# Altium PCB 2m_DBoard_TX.PcbDoc (part 4 of 5) (continued)
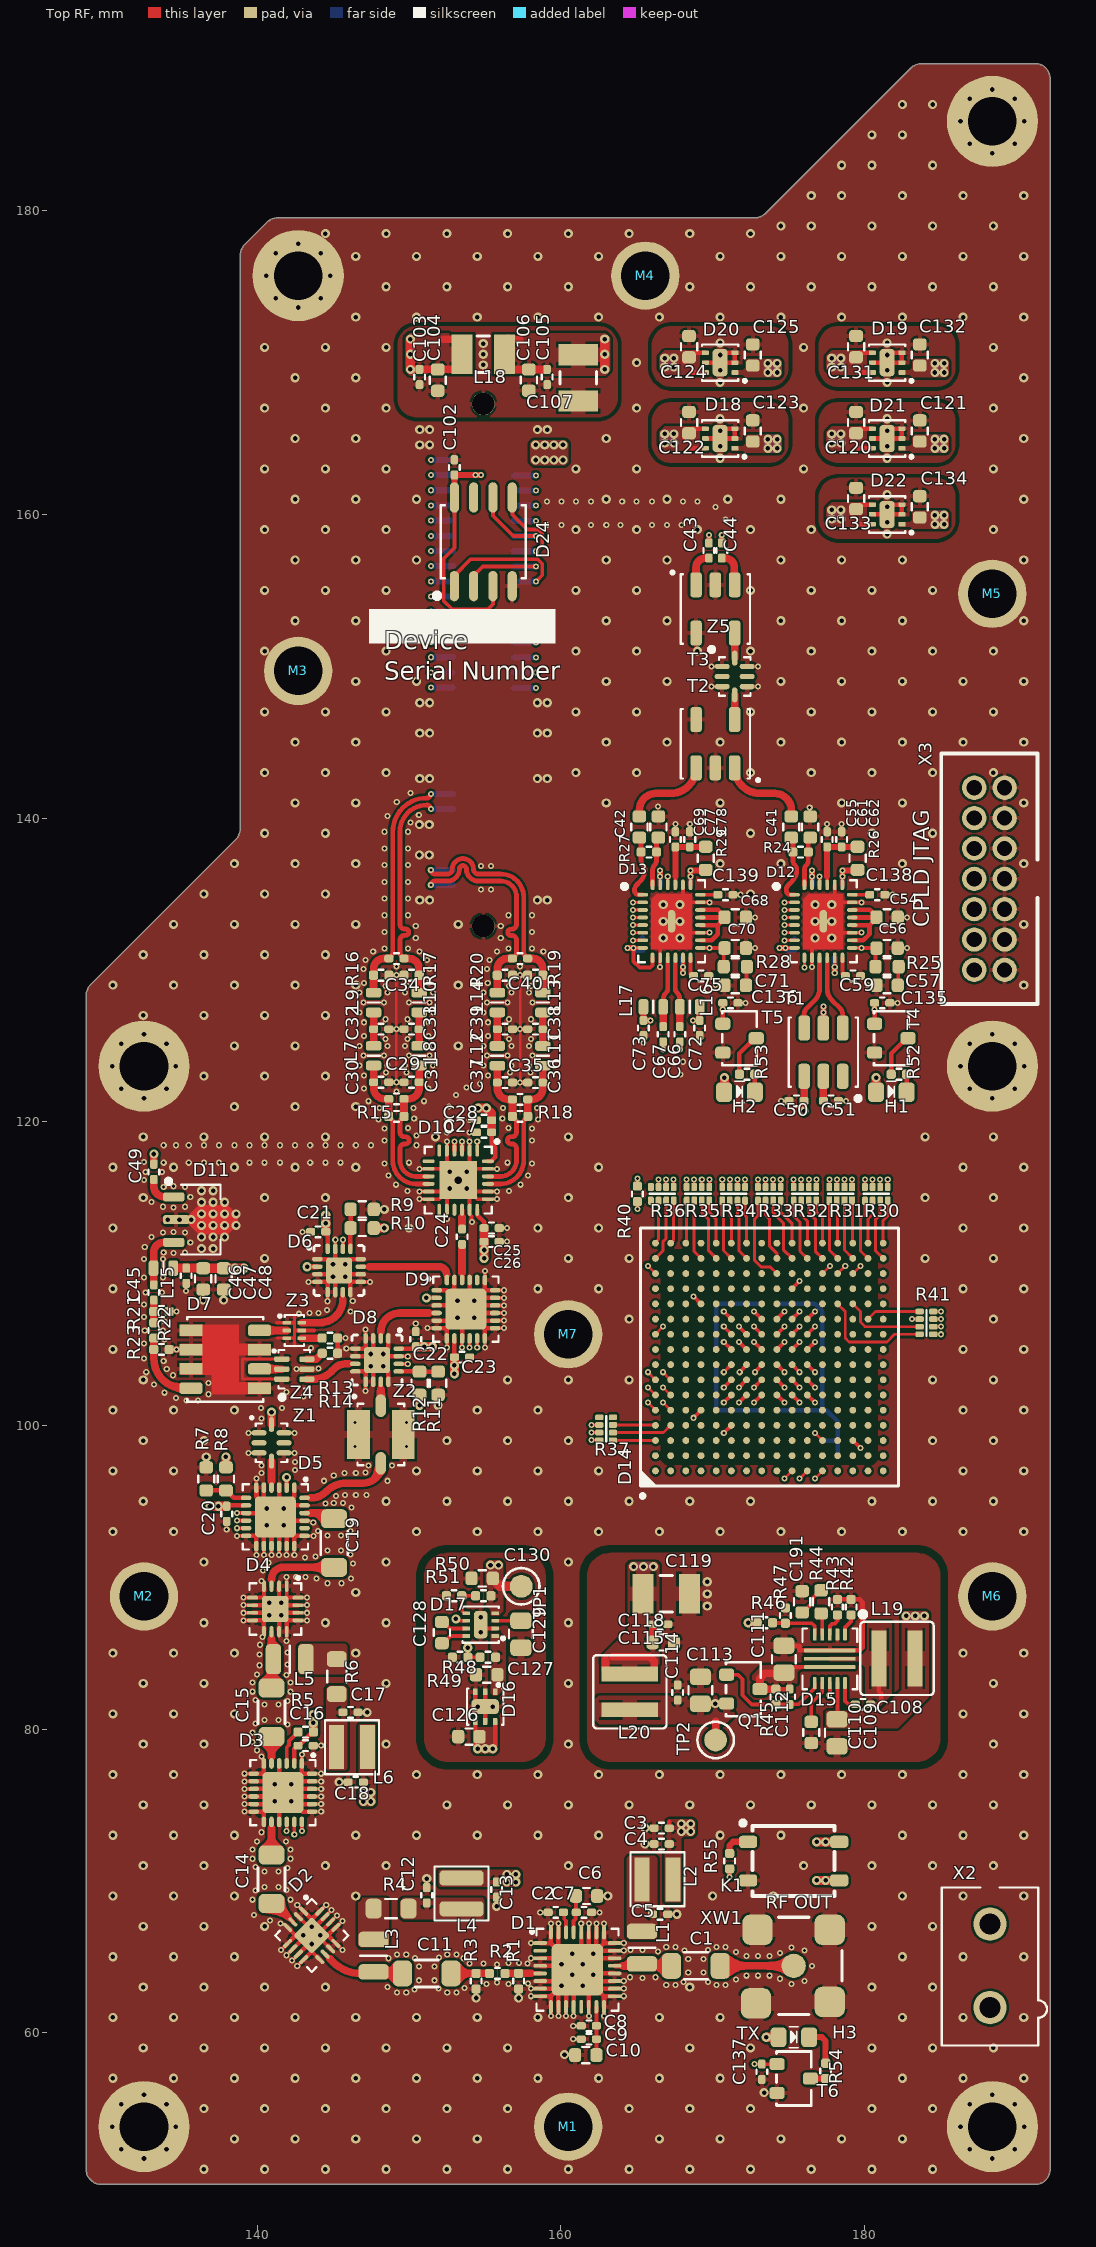
[diagram p0: Top RF view]
## Nets (pads, with @x,y where several pads share a name; then routed paths per layer and width w, separated by ;. In a path a pad name is that pad's centre, name@x,y a point inside that pad or via, vN(x,y) a via of type N, cw(c..) or ccw(c..) an arc to the next point about the centre after c; other vN are vias at no path point) (continued)
copper on no net:
  other v1: 152.7,115.6 153.8,115.6 152.7,116.7 153.8,116.7

## Polygon pours and split planes (outlines as drawn)
GND on Top RF "GND_P001" (solid, remove dead copper, pour order 106): 128.74,51 128.74,128.305 cw(c129.814,128.305) 129.055,129.065 138.6,138.61 ccw(c137.898,139.311) 138.89,139.311 138.89,177.046 cw(c139.986,177.046) 139.211,177.821 140.622,179.232 cw(c141.389,178.466) 141.389,179.55 172.779,179.55 ccw(c172.779,180.542) 173.48,179.84 183.025,189.385 cw(c183.785,188.626) 183.785,189.7 191.24,189.7 cw(c191.24,188.7) 192.24,188.7 192.24,51 cw(c191.24,51) 191.24,50 129.74,50 cw(c129.74,51)
5V_CVDD on Top RF "5V_CVDD_P001" (solid, pour order 105): 183.15,164.05 183,164.2 182.25,164.2 182.25,164.5 183,164.5 183.15,164.65 183.15,165.1 183.3,165.25 185.4,165.25 185.55,165.1 185.55,164.2 185.4,164.05
5V_QMOD on Top RF "5V_QMOD_P001" (solid, pour order 104): 172.15,164.05 172,164.2 171.25,164.2 171.25,164.5 172,164.5 172.15,164.65 172.15,165.1 172.3,165.25 174.4,165.25 174.55,165.1 174.55,164.2 174.4,164.05
3V3_DVDD on Top RF "3V3_DVDD_P002" (solid, pour order 103): 183.15,159.05 183,159.2 182.25,159.2 182.25,159.5 183,159.5 183.15,159.65 183.15,160.1 183.3,160.25 185.4,160.25 185.55,160.1 185.55,159.2 185.4,159.05
3V3_CVDD on Top RF "3V3_CVDD_P001" (solid, pour order 98): 183.15,169.05 183,169.2 182.25,169.2 182.25,169.5 183,169.5 183.15,169.65 183.15,170.1 183.3,170.25 185.4,170.25 185.55,170.1 185.55,169.2 185.4,169.05
6V_TX on Top RF "6V_TX_P007" (solid, pour order 94): 158,164.7 158.2,164.9 160.3,164.9 160.5,164.7 160.5,163.45 160.3,163.25 158.2,163.25 158,163.45
-3V4_DVSS on Top RF "-3V4_DVSS_P001" (solid, pour order 90): 155.4,87.525 155.45,87.475 155.925,87.475 156.2,87.75 156.2,90.925 156.025,91.1 155.25,91.1 155.075,90.925 155.075,88.15 155.4,87.825
NetC127_1 on Top RF "NETC127_1_L01_P" (solid, pour order 89): 155.425,86.275 155.925,86.275 156.375,85.825 156.375,82.75 155.825,82.2 155.55,82.2 155.4,82.35 155.4,86.25
6V_TX on Top RF "6V_TX_P006" (solid, pour order 88): 154.225,80.125 155.825,80.125 155.825,78.575 155.65,78.4 154.4,78.4 154.225,78.575
5V_AVDD on Top RF "5V_AVDD_P003" (solid, pour order 86): 152.025,69.62 151.975,69.67 151.975,70.67 152.025,70.72 157.175,70.72 157.35,70.545 157.35,69.795 157.175,69.62
NetL5_2 on Top RF "NETL5_2_L01_P" (solid, pour order 85): 142.85,85.6 142.7,85.45 142.7,83.75 142.85,83.6 143.65,83.6 145.45,83.6 145.8,83.6 145.95,83.75 145.95,85 145.95,85.45 145.8,85.6 143.65,85.6
NetL3_2 on Top RF "NETL3_2_L01_P" (solid, pour order 84): 146.675,65.77 146.825,65.62 148.525,65.62 148.675,65.77 148.675,66.57 148.675,68.37 148.675,68.72 148.525,68.87 147.275,68.87 146.825,68.87 146.675,68.72 146.675,66.57
NetC108_2 on Top RF "NETC108_2_L01_P" (solid, pour order 83): 176.002,84.502 176.002,84.752 176.052,84.802 179.627,84.802 180.052,85.227 180.052,87.052 181.802,87.052 181.802,82.252 180.852,81.302 180.052,81.302 180.052,84.027 179.627,84.452 176.052,84.452
NetC17_2 on Top RF "NETC17_2_L01_P" (solid, pour order 82): 145.95,77.4 145.85,77.3 144.65,77.3 144.55,77.4 144.55,82.65 144.75,82.85 145.75,82.85 145.95,82.65
NetC12_2 on Top RF "NETC12_2_L01_P" (solid, pour order 81): 154.875,68.87 154.975,68.77 154.975,67.57 154.875,67.47 149.625,67.47 149.425,67.67 149.425,68.67 149.625,68.87
NetC5_2 on Top RF "NETC5_2_L01_P" (solid, pour order 80): 164.35,66.3 164.5,66.15 166.2,66.15 166.35,66.3 166.35,71.5 166.2,71.65 164.5,71.65 164.35,71.5
5V_AVDD on Top RF "5V_AVDD_P002" (solid, pour order 74): 146.7,80.25 146.75,80.3 147.75,80.3 147.8,80.25 147.8,75.1 147.625,74.925 146.875,74.925 146.7,75.1
5V_AVDD on Top RF "5V_AVDD_P001" (solid, pour order 73): 172.15,169.05 172,169.2 171.25,169.2 171.25,169.5 172,169.5 172.15,169.65 172.15,170.1 172.3,170.25 174.4,170.25 174.55,170.1 174.55,169.2 174.4,169.05
6V_TX on Top RF "6V_TX_P005" (solid, pour order 72): 169.15,169.2 169.15,170.8 166.85,170.8 166.5,170.45 166.5,169.55 166.85,169.2
6V_TX on Top RF "6V_TX_P005" (solid, pour order 71): 169.15,164.2 169.15,165.8 166.85,165.8 166.5,165.45 166.5,164.55 166.85,164.2
6V_TX on Top RF "6V_TX_P004" (solid, pour order 70): 180.15,164.2 180.15,165.8 177.85,165.8 177.5,165.45 177.5,164.55 177.85,164.2
6V_TX on Top RF "6V_TX_P003" (solid, pour order 69): 180.15,169.2 180.15,170.8 177.85,170.8 177.5,170.45 177.5,169.55 177.85,169.2
6V_TX on Top RF "6V_TX_P002" (solid, pour order 68): 180.15,159.2 180.15,160.8 177.85,160.8 177.5,160.45 177.5,159.55 177.85,159.2
6V_TX on Top RF "6V_TX_P001" (solid, pour order 67): 154.202,169.15 154.202,171.95 150.052,171.95 149.752,171.65 149.752,169.45 150.052,169.15
_6V_flt on Top RF "_6V_FLT_P002" (solid, pour order 66): 155.602,171.95 155.602,169.15 162.95,169.15 163.25,169.45 163.25,171.65 162.95,171.95
_6V_flt on Top RF "_6V_FLT_P001" (solid, pour order 65): 182.45,82.6 181.05,81.2 177.525,81.2 177.45,81.125 177.45,80.125 177.525,80.05 182.2,80.05 184.25,82.1 184.25,87.602 184.1,87.752 182.602,87.752 182.45,87.6
12V_AVDD on Top RF "12V_AVDD_P002" (solid, pour order 64): 166.502,83.102 162.677,83.102 162.677,84.777 164.402,86.502 164.402,90.802 164.602,91.002 166.302,91.002 166.502,90.802 166.502,84.602
12V_AVDD on Top RF "12V_AVDD_P001" (solid, pour order 63): 167.95,68.65 167.9,68.6 166.9,68.6 166.85,68.65 166.85,73.85 167.05,74.05 168.7,74.05 168.85,73.9 168.85,73.1 168.7,72.95 168.117,72.95 167.95,72.783
_12V_TPS on Top RF "_12V_TPS_P001" (solid, pour order 62): 162.502,82.202 162.252,81.952 162.252,80.602 162.552,80.302 170.852,80.302 171.452,80.902 171.452,82.052 171.302,82.202
_TPS_VOUT on Top RF "_TPS_VOUT_P001" (solid, pour order 61): 179.202,84.202 173.277,84.202 172.627,83.552 172.627,82.502 172.677,82.452 175.377,82.452 175.577,82.652 175.577,83.727 175.752,83.902 179.152,83.902 179.202,83.952
GND on Bottom Layer "GND_P101" (solid, pour order 97): 128.74,51 128.74,128.305 cw(c129.814,128.305) 129.055,129.065 138.6,138.61 ccw(c137.898,139.311) 138.89,139.311 138.89,177.046 cw(c139.986,177.046) 139.211,177.821 140.622,179.232 cw(c141.389,178.466) 141.389,179.55 172.779,179.55 ccw(c172.779,180.542) 173.48,179.84 183.025,189.385 cw(c183.785,188.626) 183.785,189.7 191.24,189.7 cw(c191.24,188.7) 192.24,188.7 192.24,51 cw(c191.24,51) 191.24,50 129.74,50 cw(c129.74,51)
6V_TX on Bottom Layer "6V_TX_P101" (solid, pour order 96): 156.75,164.9 156.75,163.25 160.3,163.25 160.5,163.45 160.5,164.7 160.3,164.9
no net on Top Solder "NONET_L01_P-001" (solid): 191.142,189.207 183.713,189.207 ccw(c183.713,188.795) 183.422,189.086 173.755,179.419 cw(c172.88,180.293) 172.88,179.057 141.384,179.057 ccw(c141.384,178.474) 140.972,178.886 139.598,177.513 ccw(c140.109,177.001) 139.386,177 139.386,139.382 cw(c137.875,139.327) 138.981,138.295 129.363,128.678 ccw(c129.654,128.386) 129.242,128.386 129.242,51.107 ccw(c129.842,51.107) 129.842,50.507 191.192,50.507 ccw(c191.192,51.057) 191.742,51.057 191.742,188.607 ccw(c191.142,188.607)
no net on Bottom Solder "NONET_L01_P-001" (solid): 191.14,189.2 183.711,189.2 ccw(c183.711,188.788) 183.419,189.079 173.752,179.412 cw(c172.878,180.286) 172.878,179.05 141.381,179.05 ccw(c141.381,178.467) 140.969,178.879 139.596,177.506 ccw(c140.107,176.994) 139.384,176.993 139.384,139.384 cw(c137.861,139.325) 138.979,138.289 129.361,128.671 ccw(c129.652,128.379) 129.24,128.379 129.24,51.1 ccw(c129.84,51.1) 129.84,50.5 191.19,50.5 ccw(c191.19,51.05) 191.74,51.05 191.74,188.6 ccw(c191.14,188.6)
no net on Top Overlay "NONET_L01_P-001" (solid): 147.375,153.75 147.375,151.5 159.625,151.5 159.625,153.75
GND on Inner RF "GND_P001" (solid, remove dead copper, pour order 100): 128.74,51 128.74,128.305 cw(c129.814,128.305) 129.055,129.065 138.6,138.61 ccw(c137.898,139.311) 138.89,139.311 138.89,177.046 cw(c139.986,177.046) 139.211,177.821 140.622,179.232 cw(c141.389,178.466) 141.389,179.55 172.779,179.55 ccw(c172.779,180.542) 173.48,179.84 183.025,189.385 cw(c183.785,188.626) 183.785,189.7 191.24,189.7 cw(c191.24,188.7) 192.24,188.7 192.24,51 cw(c191.24,51) 191.24,50 129.74,50 cw(c129.74,51)
GND on Signal "GND_P001" (solid, remove dead copper, pour order 101): 128.74,51 128.74,128.305 cw(c129.814,128.305) 129.055,129.065 138.6,138.61 ccw(c137.898,139.311) 138.89,139.311 138.89,177.046 cw(c139.986,177.046) 139.211,177.821 140.622,179.232 cw(c141.389,178.466) 141.389,179.55 172.779,179.55 ccw(c172.779,180.542) 173.48,179.84 183.025,189.385 cw(c183.785,188.626) 183.785,189.7 191.24,189.7 cw(c191.24,188.7) 192.24,188.7 192.24,51 cw(c191.24,51) 191.24,50 129.74,50 cw(c129.74,51)
GND on AGND (split plane): 191.336,189.182 191.428,189.154 191.513,189.109 191.588,189.048 191.649,188.973 191.694,188.888 191.722,188.796 191.731,188.712 191.73,188.7 191.73,51 191.731,50.988 191.722,50.904 191.694,50.812 191.649,50.727 191.588,50.652 191.513,50.591 191.428,50.546 191.336,50.518 191.252,50.509 191.24,50.51 129.74,50.51 129.728,50.509 129.644,50.518 129.552,50.546 129.467,50.591 129.392,50.652 129.331,50.727 129.286,50.812 129.258,50.904 129.249,50.988 129.25,51 129.25,128.305 129.25,128.314 129.256,128.39 129.275,128.472 129.308,128.551 129.352,128.623 129.401,128.681 129.408,128.686 138.954,138.232 139.07,138.362 139.171,138.505 139.256,138.658 139.323,138.819 139.371,138.988 139.401,139.16 139.41,139.335 139.41,177.07 139.41,177.079 139.416,177.155 139.435,177.237 139.468,177.316 139.512,177.388 139.561,177.446 139.568,177.451 140.976,178.859 140.991,178.872 140.997,178.878 141.055,178.928 141.127,178.972 141.205,179.005 141.288,179.024 141.364,179.03 141.372,179.03 172.755,179.03 172.93,179.039 173.102,179.069 173.27,179.117 173.432,179.184 173.585,179.269 173.728,179.37 173.858,179.486 173.858,179.487 183.403,189.031 183.403,189.032 183.409,189.038 183.467,189.088 183.539,189.132 183.618,189.165 183.7,189.184 183.776,189.19 183.785,189.19 191.24,189.19 191.252,189.191
GND on AGND 2 (split plane): 191.336,189.182 191.428,189.154 191.513,189.109 191.588,189.048 191.649,188.973 191.694,188.888 191.722,188.796 191.731,188.712 191.73,188.7 191.73,51 191.731,50.988 191.722,50.904 191.694,50.812 191.649,50.727 191.588,50.652 191.513,50.591 191.428,50.546 191.336,50.518 191.252,50.509 191.24,50.51 129.74,50.51 129.728,50.509 129.644,50.518 129.552,50.546 129.467,50.591 129.392,50.652 129.331,50.727 129.286,50.812 129.258,50.904 129.249,50.988 129.25,51 129.25,128.305 129.25,128.314 129.256,128.39 129.275,128.472 129.308,128.551 129.352,128.623 129.401,128.681 129.408,128.686 138.954,138.232 139.07,138.362 139.171,138.505 139.256,138.658 139.323,138.819 139.371,138.988 139.401,139.16 139.41,139.335 139.41,177.07 139.41,177.079 139.416,177.155 139.435,177.237 139.468,177.316 139.512,177.388 139.561,177.446 139.568,177.451 140.976,178.859 140.991,178.872 140.997,178.878 141.055,178.928 141.127,178.972 141.205,179.005 141.288,179.024 141.364,179.03 141.372,179.03 172.755,179.03 172.93,179.039 173.102,179.069 173.27,179.117 173.432,179.184 173.585,179.269 173.728,179.37 173.858,179.486 173.858,179.487 183.403,189.031 183.403,189.032 183.409,189.038 183.467,189.088 183.539,189.132 183.618,189.165 183.7,189.184 183.776,189.19 183.785,189.19 191.24,189.19 191.252,189.191
5V_CVDD on AVDD (split plane): 186.248,171.376 186.248,158.854 181.322,153.928 181.282,153.876 181.256,153.815 181.248,153.75 181.248,120.5 181.248,116.25 181.248,94.263 181.248,94.262 181.248,94.26 181.318,87.427 181.322,87.396 181.326,87.365 181.327,87.364 181.327,87.362 181.339,87.333 181.352,87.304 181.352,87.303 181.353,87.302 181.372,87.277 181.392,87.252 182.822,85.822 182.844,85.804 182.874,85.782 182.935,85.756 183,85.748 191.73,85.748 191.73,51 191.731,50.988 191.722,50.904 191.694,50.812 191.649,50.727 191.588,50.652 191.513,50.591 191.428,50.546 191.336,50.518 191.252,50.509 191.24,50.51 129.74,50.51 129.728,50.509 129.644,50.518 129.552,50.546 129.467,50.591 129.392,50.652 129.331,50.727 129.286,50.812 129.258,50.904 129.249,50.988 129.25,51 129.25,115.948 146.296,115.948 152.222,110.022 152.274,109.982 152.335,109.956 152.4,109.948 157.892,109.948 157.958,109.956 158.018,109.982 158.071,110.022 158.111,110.074 158.136,110.135 158.144,110.2 158.144,145.488 175.678,163.022 175.718,163.074 175.744,163.135 175.752,163.2 175.752,172.748 184.876,172.748
5V_QMOD on AVDD (split plane): 141.372,179.03 161.323,179.03 161.323,169.35 161.331,169.285 161.357,169.224 161.397,169.172 161.822,168.747 161.874,168.707 161.935,168.681 162,168.673 163.675,168.673 163.74,168.681 163.801,168.707 163.853,168.747 164.428,169.322 164.446,169.344 164.468,169.374 164.494,169.435 164.502,169.5 164.502,171.396 165.854,172.748 175.248,172.748 175.248,163.304 157.714,145.771 157.674,145.718 157.649,145.658 157.64,145.592 157.64,110.452 152.504,110.452 146.578,116.378 146.526,116.418 146.465,116.444 146.4,116.452 129.25,116.452 129.25,128.305 129.25,128.314 129.256,128.39 129.275,128.472 129.308,128.551 129.352,128.623 129.401,128.681 129.408,128.686 138.954,138.232 139.07,138.362 139.171,138.505 139.256,138.658 139.323,138.819 139.371,138.988 139.401,139.16 139.41,139.335 139.41,177.07 139.41,177.079 139.416,177.155 139.435,177.237 139.468,177.316 139.512,177.388 139.561,177.446 139.568,177.451 140.976,178.859 140.991,178.872 140.997,178.878 141.055,178.928 141.127,178.972 141.205,179.005 141.288,179.024 141.364,179.03
12V_AVDD on AVDD (split plane): 166.998,91.146 166.998,76.6 167.006,76.535 167.032,76.474 167.072,76.422 169.298,74.196 169.298,73.054 168.846,72.602 167.404,72.602 164.002,76.004 164.002,91.146 164.354,91.498 166.646,91.498
_12V_TPS on AVDD (split plane): 172.851,83.165 170.939,81.253 169.653,81.253 169.653,85.539 171.565,87.451 172.851,87.451
_6V_flt on AVDD (split plane): 191.336,189.182 191.428,189.154 191.513,189.109 191.588,189.048 191.649,188.973 191.694,188.888 191.722,188.796 191.731,188.712 191.73,188.7 191.73,86.252 183.104,86.252 181.821,87.536 181.752,94.265 181.752,153.646 186.678,158.572 186.718,158.624 186.744,158.685 186.752,158.75 186.752,171.481 186.744,171.546 186.718,171.607 186.678,171.659 185.159,173.178 185.107,173.218 185.046,173.244 184.981,173.252 165.75,173.252 165.685,173.244 165.624,173.218 165.572,173.178 164.072,171.678 164.032,171.626 164.006,171.565 163.998,171.5 163.998,169.604 163.571,169.177 162.104,169.177 161.827,169.454 161.827,179.03 172.755,179.03 172.93,179.039 173.102,179.069 173.27,179.117 173.432,179.184 173.585,179.269 173.728,179.37 173.858,179.486 173.858,179.487 183.403,189.031 183.403,189.032 183.409,189.038 183.467,189.088 183.539,189.132 183.618,189.165 183.7,189.184 183.776,189.19 183.785,189.19 191.24,189.19 191.252,189.191
5V_AVDD on AVDD 2 (split plane): 175.248,163.301 162.522,150.574 162.482,150.522 162.456,150.461 162.448,150.396 162.448,126 162.456,125.935 162.482,125.874 162.522,125.822 168.522,119.822 168.544,119.804 168.574,119.782 168.635,119.756 168.7,119.748 191.73,119.748 191.73,51 191.731,50.988 191.722,50.904 191.694,50.812 191.649,50.727 191.588,50.652 191.513,50.591 191.428,50.546 191.336,50.518 191.252,50.509 191.24,50.51 129.74,50.51 129.728,50.509 129.644,50.518 129.552,50.546 129.467,50.591 129.392,50.652 129.331,50.727 129.286,50.812 129.258,50.904 129.249,50.988 129.25,51 129.25,84.248 154.75,84.248 154.815,84.256 154.876,84.282 154.928,84.322 154.968,84.374 154.994,84.435 155.002,84.5 155.002,87.896 158.178,91.072 158.196,91.094 158.218,91.124 158.244,91.185 158.252,91.25 158.252,104.561 158.244,104.626 158.226,104.669 158.218,104.687 158.201,104.71 158.178,104.739 146.489,116.428 146.437,116.468 146.376,116.494 146.311,116.502 129.25,116.502 129.25,128.305 129.25,128.314 129.256,128.39 129.275,128.472 129.308,128.551 129.352,128.623 129.401,128.681 129.408,128.686 138.954,138.232 139.07,138.362 139.171,138.505 139.256,138.658 139.323,138.819 139.371,138.988 139.401,139.16 139.41,139.335 139.41,177.07 139.41,177.079 139.416,177.155 139.435,177.237 139.468,177.316 139.512,177.388 139.561,177.446 139.568,177.451 140.976,178.859 140.991,178.872 140.997,178.878 141.055,178.928 141.127,178.972 141.205,179.005 141.288,179.024 141.364,179.03 141.372,179.03 172.755,179.03 172.93,179.039 173.102,179.069 173.27,179.117 173.432,179.184 173.585,179.269 173.728,179.37 173.858,179.486 173.858,179.487 175.248,180.876
-3V4_DVSS on AVDD 2 (split plane): 157.748,104.456 157.748,91.354 154.646,88.252 152.25,88.252 152.185,88.244 152.124,88.218 152.072,88.178 152.032,88.126 152.006,88.065 151.998,88 151.998,84.752 129.25,84.752 129.25,115.998 146.206,115.998
NetD17_6 on AVDD 2 (split plane): 154.498,84.752 152.502,84.752 152.502,87.748 154.498,87.748
3V3_CVDD on AVDD 2 (split plane): 191.336,189.182 191.428,189.154 191.513,189.109 191.588,189.048 191.649,188.973 191.694,188.888 191.722,188.796 191.731,188.712 191.73,188.7 191.73,120.252 168.804,120.252 162.952,126.104 162.952,150.292 175.678,163.018 175.696,163.041 175.718,163.07 175.744,163.131 175.752,163.196 175.752,181.38 183.403,189.031 183.403,189.032 183.409,189.038 183.467,189.088 183.539,189.132 183.618,189.165 183.7,189.184 183.776,189.19 183.785,189.19 191.24,189.19 191.252,189.191
6V_TX on DVDD 2 (split plane): 191.336,189.182 191.428,189.154 191.513,189.109 191.588,189.048 191.649,188.973 191.694,188.888 191.722,188.796 191.731,188.712 191.73,188.7 191.73,51 191.731,50.988 191.722,50.904 191.694,50.812 191.649,50.727 191.588,50.652 191.513,50.591 191.428,50.546 191.336,50.518 191.252,50.509 191.24,50.51 129.74,50.51 129.728,50.509 129.644,50.518 129.552,50.546 129.467,50.591 129.392,50.652 129.331,50.727 129.286,50.812 129.258,50.904 129.249,50.988 129.25,51 129.25,128.305 129.25,128.314 129.256,128.39 129.275,128.472 129.308,128.551 129.352,128.623 129.401,128.681 129.408,128.686 138.954,138.232 139.07,138.362 139.171,138.505 139.256,138.658 139.323,138.819 139.371,138.988 139.401,139.16 139.41,139.335 139.41,177.07 139.41,177.079 139.416,177.155 139.435,177.237 139.468,177.316 139.512,177.388 139.561,177.446 139.568,177.451 140.976,178.859 140.991,178.872 140.997,178.878 141.055,178.928 141.127,178.972 141.205,179.005 141.288,179.024 141.364,179.03 141.372,179.03 172.755,179.03 172.93,179.039 173.102,179.069 173.27,179.117 173.432,179.184 173.585,179.269 173.728,179.37 173.858,179.486 173.858,179.487 183.403,189.031 183.403,189.032 183.409,189.038 183.467,189.088 183.539,189.132 183.618,189.165 183.7,189.184 183.776,189.19 183.785,189.19 191.24,189.19 191.252,189.191
3V3_DVDD on DVDD (split plane): 191.336,189.182 191.428,189.154 191.513,189.109 191.588,189.048 191.649,188.973 191.694,188.888 191.722,188.796 191.731,188.712 191.73,188.7 191.73,51 191.731,50.988 191.722,50.904 191.694,50.812 191.649,50.727 191.588,50.652 191.513,50.591 191.428,50.546 191.336,50.518 191.252,50.509 191.24,50.51 129.74,50.51 129.728,50.509 129.644,50.518 129.552,50.546 129.467,50.591 129.392,50.652 129.331,50.727 129.286,50.812 129.258,50.904 129.249,50.988 129.25,51 129.25,128.305 129.25,128.314 129.256,128.39 129.275,128.472 129.308,128.551 129.352,128.623 129.401,128.681 129.408,128.686 138.954,138.232 139.07,138.362 139.171,138.505 139.256,138.658 139.323,138.819 139.371,138.988 139.401,139.16 139.41,139.335 139.41,177.07 139.41,177.079 139.416,177.155 139.435,177.237 139.468,177.316 139.512,177.388 139.561,177.446 139.568,177.451 140.976,178.859 140.991,178.872 140.997,178.878 141.055,178.928 141.127,178.972 141.205,179.005 141.288,179.024 141.364,179.03 141.372,179.03 172.755,179.03 172.93,179.039 173.102,179.069 173.27,179.117 173.432,179.184 173.585,179.269 173.728,179.37 173.858,179.486 173.858,179.487 183.403,189.031 183.403,189.032 183.409,189.038 183.467,189.088 183.539,189.132 183.618,189.165 183.7,189.184 183.776,189.19 183.785,189.19 191.24,189.19 191.252,189.191
3V3_DVDD_TX on DVDD (split plane): 158.749,162.631 158.749,161.513 158.462,161.226 155.238,161.226 154.101,162.363 154.101,162.787 154.238,162.924 158.415,162.924
GND on GND 2 (split plane): 191.336,189.182 191.428,189.154 191.513,189.109 191.588,189.048 191.649,188.973 191.694,188.888 191.722,188.796 191.731,188.712 191.73,188.7 191.73,51 191.731,50.988 191.722,50.904 191.694,50.812 191.649,50.727 191.588,50.652 191.513,50.591 191.428,50.546 191.336,50.518 191.252,50.509 191.24,50.51 129.74,50.51 129.728,50.509 129.644,50.518 129.552,50.546 129.467,50.591 129.392,50.652 129.331,50.727 129.286,50.812 129.258,50.904 129.249,50.988 129.25,51 129.25,128.305 129.25,128.314 129.256,128.39 129.275,128.472 129.308,128.551 129.352,128.623 129.401,128.681 129.408,128.686 138.954,138.232 139.07,138.362 139.171,138.505 139.256,138.658 139.323,138.819 139.371,138.988 139.401,139.16 139.41,139.335 139.41,177.07 139.41,177.079 139.416,177.155 139.435,177.237 139.468,177.316 139.512,177.388 139.561,177.446 139.568,177.451 140.976,178.859 140.991,178.872 140.997,178.878 141.055,178.928 141.127,178.972 141.205,179.005 141.288,179.024 141.364,179.03 141.372,179.03 172.755,179.03 172.93,179.039 173.102,179.069 173.27,179.117 173.432,179.184 173.585,179.269 173.728,179.37 173.858,179.486 173.858,179.487 183.403,189.031 183.403,189.032 183.409,189.038 183.467,189.088 183.539,189.132 183.618,189.165 183.7,189.184 183.776,189.19 183.785,189.19 191.24,189.19 191.252,189.191
GND on GND (split plane): 191.336,189.182 191.428,189.154 191.513,189.109 191.588,189.048 191.649,188.973 191.694,188.888 191.722,188.796 191.731,188.712 191.73,188.7 191.73,51 191.731,50.988 191.722,50.904 191.694,50.812 191.649,50.727 191.588,50.652 191.513,50.591 191.428,50.546 191.336,50.518 191.252,50.509 191.24,50.51 129.74,50.51 129.728,50.509 129.644,50.518 129.552,50.546 129.467,50.591 129.392,50.652 129.331,50.727 129.286,50.812 129.258,50.904 129.249,50.988 129.25,51 129.25,128.305 129.25,128.314 129.256,128.39 129.275,128.472 129.308,128.551 129.352,128.623 129.401,128.681 129.408,128.686 138.954,138.232 139.07,138.362 139.171,138.505 139.256,138.658 139.323,138.819 139.371,138.988 139.401,139.16 139.41,139.335 139.41,177.07 139.41,177.079 139.416,177.155 139.435,177.237 139.468,177.316 139.512,177.388 139.561,177.446 139.568,177.451 140.976,178.859 140.991,178.872 140.997,178.878 141.055,178.928 141.127,178.972 141.205,179.005 141.288,179.024 141.364,179.03 141.372,179.03 172.755,179.03 172.93,179.039 173.102,179.069 173.27,179.117 173.432,179.184 173.585,179.269 173.728,179.37 173.858,179.486 173.858,179.487 183.403,189.031 183.403,189.032 183.409,189.038 183.467,189.088 183.539,189.132 183.618,189.165 183.7,189.184 183.776,189.19 183.785,189.19 191.24,189.19 191.252,189.191

## Other copper
Top RF:
  pour cut-out: 166,165.15 166,166.15 cw(c167.25,166.15) 167.25,167.4 173.75,167.4 cw(c173.751,166.151) 175,166.15 175,164.65 cw(c173.751,164.649) 173.75,163.4 167.25,163.4 cw(c167.25,164.65) 166,164.65 166,165.15 165.75,165.15 165.75,164.65 ccw(c167.25,164.65) 167.25,163.15 173.75,163.15 ccw(c173.75,164.65) 175.25,164.65 175.25,166.15 ccw(c173.751,166.151) 173.75,167.65 167.25,167.65 ccw(c167.249,166.151) 165.75,166.15 165.75,165.15
  pour cut-out: 166,170.15 166,171.15 cw(c167.25,171.15) 167.25,172.4 173.75,172.4 cw(c173.751,171.151) 175,171.15 175,169.65 cw(c173.751,169.649) 173.75,168.4 167.3,168.4 cw(c167.3,169.7) 166,169.7 166,170.15 165.75,170.15 165.75,169.7 ccw(c167.3,169.7) 167.3,168.15 173.75,168.15 ccw(c173.75,169.65) 175.25,169.65 175.25,171.15 ccw(c173.751,171.151) 173.75,172.65 167.25,172.65 ccw(c167.249,171.151) 165.75,171.15 165.75,170.15
  pour cut-out: 149.25,170.4 149.25,171.15 cw(c150.5,171.15) 150.5,172.4 162.5,172.4 cw(c162.501,171.151) 163.75,171.15 163.75,167.65 cw(c162.502,167.648) 162.5,166.4 150.5,166.4 cw(c150.499,167.649) 149.25,167.65 149.25,170.4 149,170.4 149,167.65 ccw(c150.5,167.65) 150.5,166.15 162.5,166.15 ccw(c162.5,167.65) 164,167.65 164,171.15 ccw(c162.501,171.151) 162.5,172.65 150.5,172.65 ccw(c150.498,171.152) 149,171.15 149,170.4
  pour cut-out: 177,160.15 177,161.15 cw(c178.25,161.15) 178.25,162.4 184.75,162.4 cw(c184.751,161.151) 186,161.15 186,159.65 cw(c184.751,159.649) 184.75,158.4 178.25,158.4 cw(c178.25,159.65) 177,159.65 177,160.15 176.75,160.15 176.75,159.65 ccw(c178.25,159.65) 178.25,158.15 184.75,158.15 ccw(c184.75,159.65) 186.25,159.65 186.25,161.15 ccw(c184.751,161.151) 184.75,162.65 178.25,162.65 ccw(c178.249,161.151) 176.75,161.15 176.75,160.15
  pour cut-out: 177,165.15 177,166.15 cw(c178.25,166.15) 178.25,167.4 184.75,167.4 cw(c184.75,166.151) 186,166.15 186,164.65 cw(c184.751,164.649) 184.75,163.4 178.2,163.4 cw(c178.225,164.625) 177,164.65 177,165.15 176.75,165.15 176.75,164.65 ccw(c178.25,164.65) 178.25,163.15 184.75,163.15 ccw(c184.75,164.65) 186.25,164.65 186.25,166.15 ccw(c184.751,166.151) 184.75,167.65 178.25,167.65 ccw(c178.249,166.151) 176.75,166.15 176.75,165.15
  pour cut-out: 177,170.15 177,171.15 cw(c178.25,171.15) 178.25,172.4 184.75,172.4 cw(c184.75,171.151) 186,171.15 186,169.65 cw(c184.751,169.649) 184.75,168.4 178.25,168.4 cw(c178.25,169.65) 177,169.65 177,170.15 176.75,170.15 176.75,169.65 ccw(c178.25,169.65) 178.25,168.15 184.75,168.15 ccw(c184.75,169.65) 186.25,169.65 186.25,171.15 ccw(c184.751,171.151) 184.75,172.65 178.25,172.65 ccw(c178.249,171.151) 176.75,171.15 176.75,170.15
  pour cut-out: 150.5,88.45 150.5,90.1 cw(c152.5,90.1) 152.5,92.1 157.5,92.1 cw(c157.5,90.1) 159.5,90.1 159.5,79.35 cw(c157.501,79.349) 157.5,77.35 152.5,77.35 cw(c152.5,79.35) 150.5,79.35 150.5,88.45 151,88.45 151,79.35 ccw(c152.5,79.35) 152.5,77.85 157.5,77.85 ccw(c157.5,79.35) 159,79.35 159,90.105 ccw(c157.503,90.103) 157.5,91.6 152.5,91.6 ccw(c152.499,90.101) 151,90.1 151,88.45
  pour cut-out: 161.25,88.45 161.25,90.1 cw(c163.25,90.1) 163.25,92.1 183.5,92.1 cw(c183.5,90.1) 185.5,90.1 185.5,79.35 cw(c183.5,79.35) 183.5,77.35 163.25,77.35 cw(c163.25,79.35) 161.25,79.35 161.25,88.45 161.75,88.45 161.75,79.35 ccw(c163.25,79.35) 163.25,77.85 183.5,77.85 ccw(c183.5,79.35) 185,79.35 185,90.105 ccw(c183.503,90.103) 183.5,91.6 163.25,91.6 ccw(c163.249,90.101) 161.75,90.1 161.75,88.45
  pour cut-out: 182.251,159.5 183,159.5 183,159.85 182.25,159.85
  pour cut-out: 182.251,164.5 183,164.5 183,164.85 182.25,164.85
  pour cut-out: 182.251,169.5 183,169.5 183,169.85 182.25,169.85
  pour cut-out: 171.251,164.5 172,164.5 172,164.85 171.25,164.85
  pour cut-out: 171.251,169.5 172,169.5 172,169.85 171.25,169.85
  pour cut-out: 144.45,106.211 145.15,106.211 145.15,104.656 144.881,104.5 144.559,104.313 144.45,104.659
  pour cut-out: 140.079,74.17 143.322,74.17 143.322,77.43 140.073,77.43
  pour cut-out: 159.106,62.15 163.1,62.15 163.1,66.15 159.099,66.15
  pour cut-out: 151.629,114.515 154.872,114.515 154.872,117.775 151.623,117.775
  pour cut-out: 152.129,106.015 155.372,106.015 155.372,109.275 152.123,109.275
  pour cut-out: 143.607,64.849 145.159,66.402 143.604,67.957 142.048,66.401
  pour cut-out: 144.304,109.095 146.5,109.095 146.5,111.295 144.3,111.295
  pour cut-out: 146.804,103.195 149,103.195 149,105.395 146.8,105.395
  pour cut-out: 139.579,92.34 142.822,92.34 142.822,95.6 139.573,95.6
  pour cut-out: 140.104,86.8 142.3,86.8 142.3,89 140.1,89
  pour cut-out: 180.89,97.7 180.89,111.3 180.59,111.6 166.89,111.6 166.59,111.3 166.59,97.7 166.89,97.4 180.59,97.4